# KiCad board Main PCB.kicad_pcb (continued)
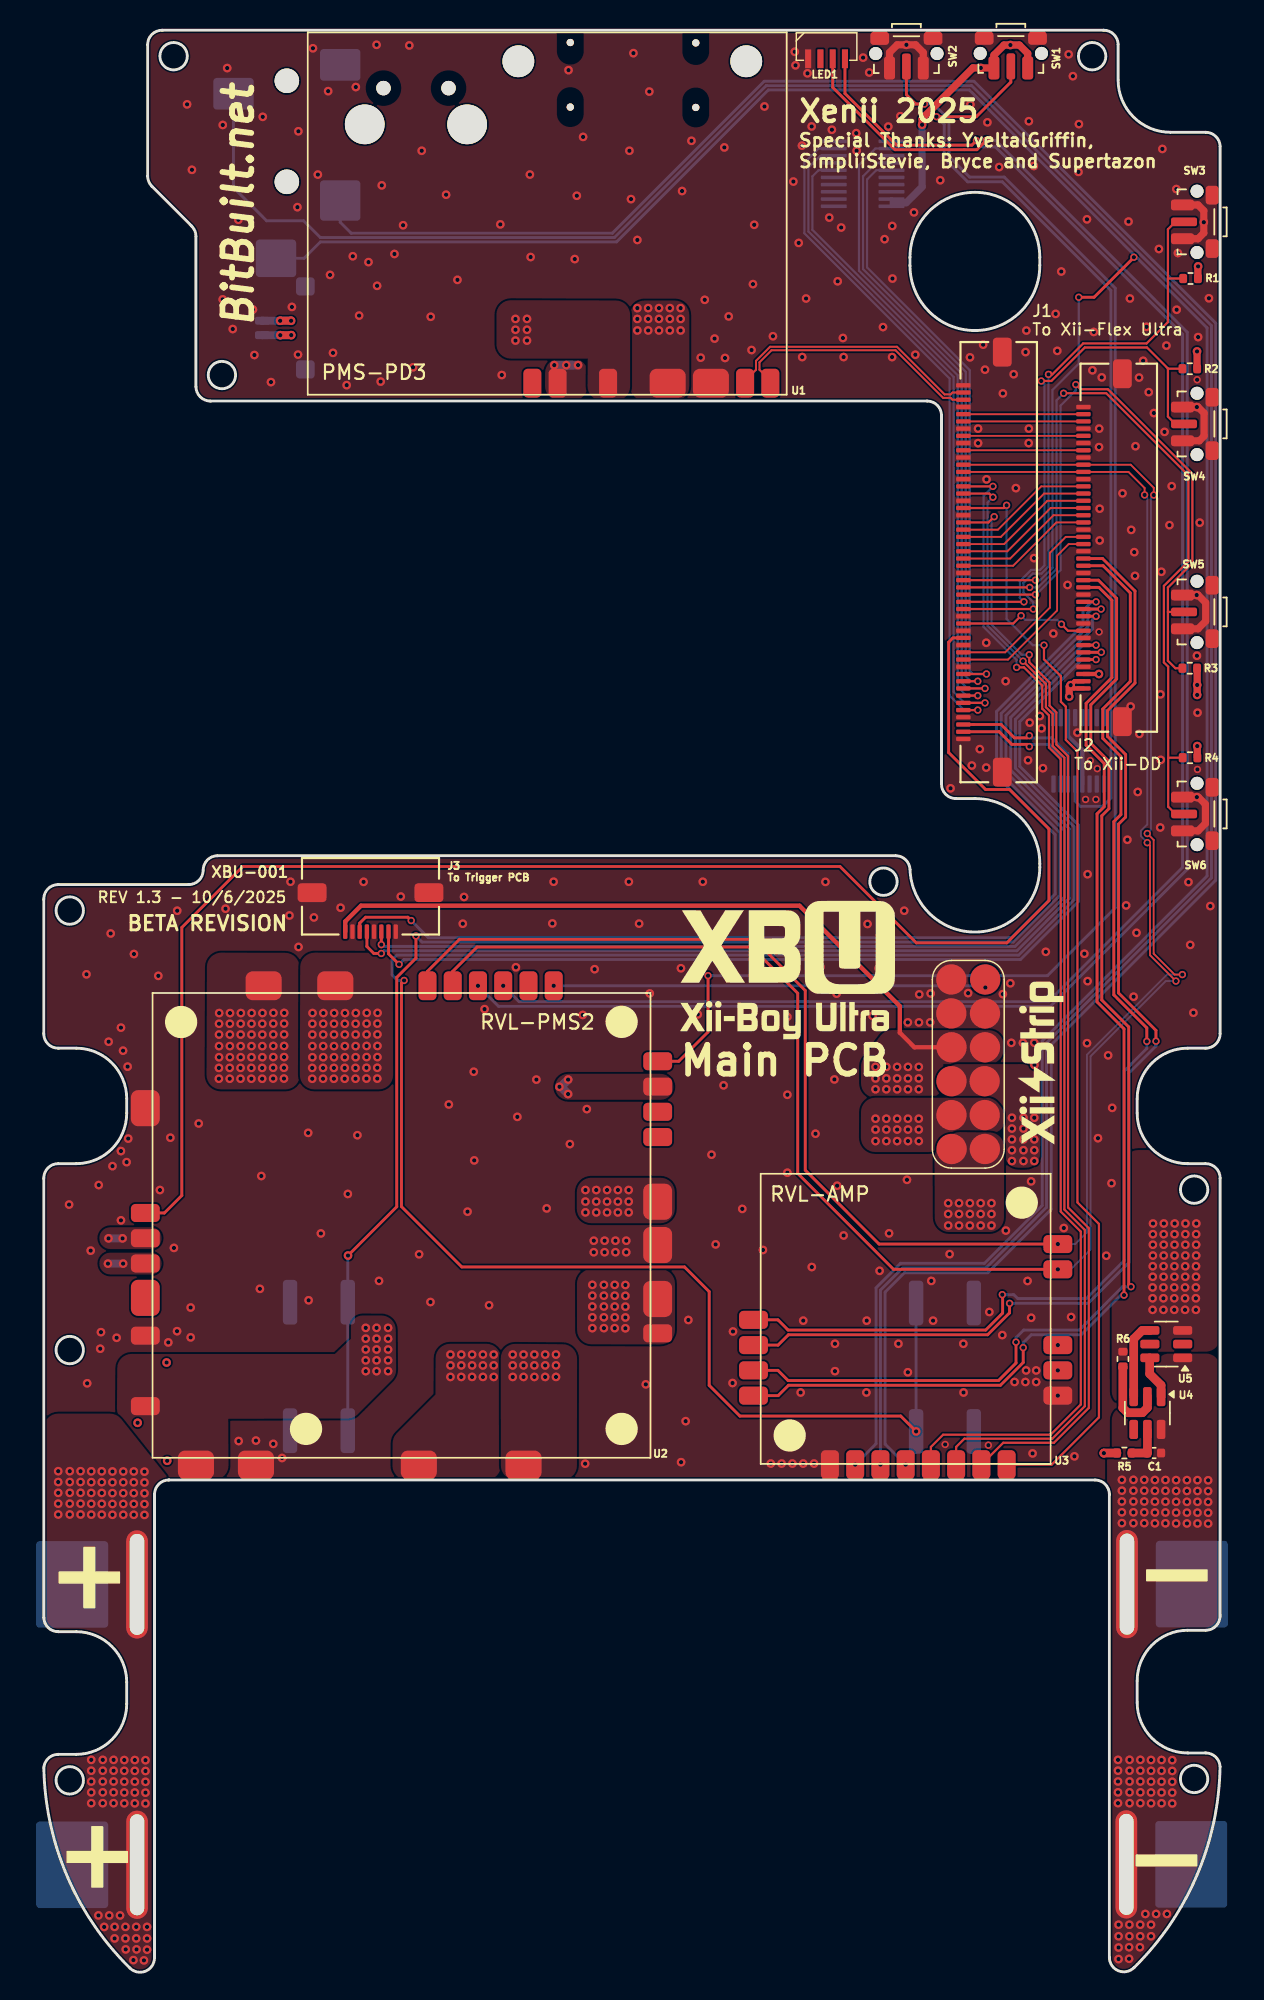
[diagram p0: board, top side]
## Routing (per net, layer and track width the routed paths; a pad name or vN(x,y) marks a point on that pad's centre or on a via; arc(x,y) is an arc through that point) (continued)
V0: length 8.3
  Top w0.127: J2.46 72.07,107.87
V1: length 9.6
  Top w0.127: 72.07,100.37 70.2,100.37 67.2,97.37 J2.25
V2: length 9.6
  Top w0.127: J2.26 67,97.87 70,100.87 72.07,100.87
V3: length 8.3
  Top w0.127: J2.45 72.07,107.37
V4: length 9.6
  Top w0.127: 72.07,101.37 69.8,101.37 66.8,98.37 J2.27
V5: length 9.6
  Top w0.127: J2.28 66.58,98.87 69.58,101.87 72.07,101.87
V6: length 9.6
  Top w0.127: 72.07,102.87 69.15,102.87 66.15,99.87 J2.30
V7: length 8.3
  Top w0.127: 72.07,105.37 J2.41
VBUS:
  vias: v2(37.55,54.12) v2(37.55,53.32) v2(37.55,52.57) v2(38.3,54.12) v2(38.3,53.32) v2(38.3,52.57) v2(39.05,54.12) v2(39.05,53.32) v2(39.05,52.57) v2(39.8,54.12) v2(39.8,53.32) v2(39.8,52.57) v2(40.55,54.12) v2(40.55,53.32) v2(40.55,52.57) v2(41.15,115.22) v2(41.15,114.47) v2(41.15,113.67) v2(41.9,115.22) v2(41.9,114.47) v2(41.9,113.67) v2(42.65,115.22) v2(42.65,114.47) v2(42.65,113.67) v2(43.4,115.22) v2(43.4,114.47) v2(43.4,113.67) v2(44.15,115.22) v2(44.15,114.47) v2(44.15,113.67)
54: length 8.3
  Top w0.127: J2.43 72.07,106.37
A: length 121.3
  Top w0.2: 55.54,132.49 55.54,130.08 59.12,126.51 64.34,126.51 v1(64.66,126.82)
  Bottom w0.2: v1(31.85,68.27) 32.95,67.17 69.64,67.17 78.95,76.47 78.95,113.41 65.97,126.38 65.1,126.38 v1(64.66,126.82)
B+: length 41.3
  Top w0.152: 77.93,117.27 R3.1 ; SW5.2 78.45,121.19 77.93,120.67 77.93,114.25 76.45,112.77 72.05,112.77 69.91,110.62 v1(69.65,110.62) 69.79,110.77 ; v1(68.6,94.37) J2.19
  Bottom w0.152: v1(69.65,110.62) 69.65,110.62 69.65,97.31 69.17,96.82 68.56,96.82 67.92,96.18 67.92,95.51 68.6,94.83 v1(68.6,94.37)
B-: length 36.8
  Top w0.152: 77.93,111.02 78.99,111.02 ; SW6.2 78.44,107.19 77.93,107.7 77.93,111.03 76.48,112.49 72.17,112.49 69.85,110.17 v1(69.15,110.17) ; J2.20 v1(67.95,94.87)
  Bottom w0.152: v1(67.95,94.87) 67.66,95.15 67.66,96.28 68.45,97.08 69.06,97.08 69.37,97.39 69.37,109.94 v1(69.15,110.17)
BAT -:
  vias: v2(74.47,14.64) v2(74.47,13.89) v2(74.47,13.14) v2(74.47,12.39) v2(74.47,11.64) v2(74.51,3.22) v2(74.51,2.42) v2(74.51,1.64) v2(74.51,0.84) v2(74.74,34.04) v2(74.74,33.29) v2(74.74,32.54) v2(74.74,31.79) v2(74.74,31.04) v2(75.27,14.64) v2(75.27,13.89) v2(75.27,13.14) v2(75.27,12.39) v2(75.27,11.64) v2(75.26,3.22) v2(75.26,2.42) v2(75.24,1.66) v2(75.24,0.86) v2(75.54,34.04) v2(75.54,33.29) v2(75.54,32.54) v2(75.54,31.79) v2(75.54,31.04) v2(75.99,1.66) v2(76.02,14.64) v2(76.02,13.89) v2(76.02,13.14) v2(76.02,12.39) v2(76.02,11.64) v2(76.01,3.22) v2(76.01,2.42) v2(76.29,34.04) v2(76.29,33.29) v2(76.29,32.54) v2(76.29,31.79) v2(76.29,31.04) v2(76.36,3.96) v2(76.76,14.63) v2(76.76,13.88) v2(76.76,13.13) v2(76.76,12.38) v2(76.76,11.63) v2(76.76,3.22) v2(76.76,2.42) v2(77.03,34.03) v2(77.03,33.28) v2(77.03,32.53) v2(77.03,31.78) v2(77.03,31.03) v2(77.11,3.96) v2(77.49,14.63) v2(77.49,13.88) v2(77.49,13.13) v2(77.49,12.38) v2(77.49,11.63) v2(77.76,34.03) v2(77.76,33.28) v2(77.76,32.53) v2(77.76,31.78) v2(77.76,31.03) v2(77.86,3.96) v2(78.23,14.62) v2(78.23,13.87) v2(78.23,13.12) v2(78.23,12.37) v2(78.23,11.62) v2(78.5,34.02) v2(78.5,33.27) v2(78.5,32.52) v2(78.5,31.77) v2(78.5,31.02) v2(79.25,34.02) v2(79.25,33.27) v2(79.25,32.52) v2(79.25,31.77) v2(79.25,31.02) v2(79.98,34.02) v2(79.98,33.27) v2(79.98,32.52) v2(79.98,31.77) v2(79.98,31.02) v2(80.72,34.01) v2(80.72,33.26) v2(80.72,32.51) v2(80.72,31.76) v2(80.72,31.01)
BATT +: length 68.5
  Top w0.6: R6.2 73.5,35.9 v2(73.49,35.89)
  In2.Cu w0.5: v2(73.49,35.89) 73.49,35.13 72.85,34.48 7.1,34.48 v2(6.98,34.61)
  vias: v2(1,34.64) v2(1,33.89) v2(1,33.14) v2(1,32.39) v2(1,31.64) v2(1.8,34.64) v2(1.8,33.89) v2(1.8,33.14) v2(1.8,32.39) v2(1.8,31.64) v2(2.55,34.64) v2(2.55,33.89) v2(2.55,33.14) v2(2.55,32.39) v2(2.55,31.64) v2(3.29,34.63) v2(3.29,33.88) v2(3.29,33.13) v2(3.29,32.38) v2(3.29,31.63) v2(3.29,14.64) v2(3.29,13.89) v2(3.29,13.14) v2(3.29,12.39) v2(3.29,11.64) v2(3.79,3.86) v2(4.02,34.63) v2(4.02,33.88) v2(4.02,33.13) v2(4.02,32.38) v2(4.02,31.63) v2(4.09,14.64) v2(4.09,13.89) v2(4.09,13.14) v2(4.09,12.39) v2(4.09,11.64) v2(4.19,3.06) v2(4.54,3.86) v2(4.76,34.62) v2(4.76,33.87) v2(4.76,33.12) v2(4.76,32.37) v2(4.76,31.62) v2(4.84,14.64) v2(4.84,13.89) v2(4.84,13.14) v2(4.84,12.39) v2(4.84,11.64) v2(4.91,3.07) v2(4.91,2.27) v2(5.29,3.86) v2(5.51,34.62) v2(5.51,33.87) v2(5.51,33.12) v2(5.51,32.37) v2(5.51,31.62) v2(5.58,14.63) v2(5.58,13.88) v2(5.58,13.13) v2(5.58,12.38) v2(5.58,11.63) v2(5.66,3.07) v2(5.66,2.27) v2(5.68,1.51) v2(6.24,34.62) v2(6.24,33.87) v2(6.24,33.12) v2(6.24,32.37) v2(6.24,31.62) v2(6.21,0.77) v2(6.31,14.63) v2(6.31,13.88) v2(6.31,13.13) v2(6.31,12.38) v2(6.31,11.63) v2(6.41,3.07) v2(6.41,2.27) v2(6.43,1.51) v2(6.98,33.86) v2(6.98,33.11) v2(6.98,32.36) v2(6.98,31.61) v2(6.94,0.75) v2(7.05,14.62) v2(7.05,13.87) v2(7.05,13.12) v2(7.05,12.37) v2(7.05,11.62) v2(7.16,3.07) v2(7.16,2.27) v2(7.16,1.49) v2(18.63,66.38) v2(18.62,65.64) v2(18.62,64.89) v2(18.62,64.09) v2(18.62,63.32) v2(18.61,62.58) v2(18.61,61.83) v2(19.38,66.38) v2(19.37,65.64) v2(19.37,64.89) v2(19.37,64.09) v2(19.37,63.32) v2(19.36,62.58) v2(19.36,61.83) v2(20.13,66.38) v2(20.12,65.64) v2(20.12,64.89) v2(20.12,64.09) v2(20.12,63.32) v2(20.11,62.58) v2(20.11,61.83) v2(20.88,66.38) v2(20.87,65.64) v2(20.87,64.89) v2(20.87,64.09) v2(20.87,63.32) v2(20.86,62.58) v2(20.86,61.83) v2(21.63,66.38) v2(21.62,65.64) v2(21.62,64.89) v2(21.62,64.09) v2(21.62,63.32) v2(21.61,62.58) v2(21.61,61.83) v2(22.39,66.39) v2(22.38,65.65) v2(22.38,64.9) v2(22.38,64.1) v2(22.38,63.33) v2(22.37,62.59) v2(22.37,61.84) v2(23.14,66.39) v2(23.13,65.65) v2(23.13,64.9) v2(23.13,64.1) v2(23.13,63.33) v2(23.12,62.59) v2(23.12,61.84)
BATT -:
  vias: v2(12.16,66.38) v2(12.15,65.64) v2(12.15,64.89) v2(12.15,64.09) v2(12.15,63.32) v2(12.14,62.58) v2(12.14,61.83) v2(12.9,65.64) v2(12.9,64.89) v2(12.9,64.09) v2(12.9,63.32) v2(12.89,62.58) v2(12.89,61.83) v2(12.91,66.38) v2(13.66,66.38) v2(13.65,65.64) v2(13.65,64.89) v2(13.65,64.09) v2(13.65,63.32) v2(13.64,62.58) v2(13.64,61.83) v2(14.4,65.64) v2(14.4,64.89) v2(14.4,64.09) v2(14.4,63.32) v2(14.39,62.58) v2(14.39,61.83) v2(14.41,66.38) v2(15.16,66.38) v2(15.15,65.64) v2(15.15,64.89) v2(15.15,64.09) v2(15.15,63.32) v2(15.14,62.58) v2(15.14,61.83) v2(15.9,62.59) v2(15.9,61.84) v2(15.92,66.39) v2(15.91,65.65) v2(15.91,64.9) v2(15.91,64.1) v2(15.91,63.33) v2(16.67,66.39) v2(16.66,65.65) v2(16.66,64.9) v2(16.66,64.1) v2(16.66,63.33) v2(16.65,62.59) v2(16.65,61.84) v2(76.89,51.06) v2(76.89,50.33) v2(76.89,49.58) v2(76.88,48.84) v2(76.88,48.11) v2(76.87,47.37) v2(76.87,46.62) v2(76.87,45.82) v2(76.9,51.8) v2(77.65,51.8) v2(77.64,51.06) v2(77.64,50.33) v2(77.64,49.58) v2(77.63,48.84) v2(77.63,48.11) v2(77.62,47.37) v2(77.62,46.62) v2(77.62,45.82) v2(78.39,51.06) v2(78.39,50.33) v2(78.39,49.58) v2(78.38,48.84) v2(78.38,48.11) v2(78.37,47.37) v2(78.37,46.62) v2(78.37,45.82) v2(78.4,51.8) v2(79.15,51.8) v2(79.14,51.06) v2(79.14,50.33) v2(79.14,49.58) v2(79.13,48.84) v2(79.13,48.11) v2(79.12,47.37) v2(79.12,46.62) v2(79.12,45.82) v2(79.89,51.06) v2(79.89,50.33) v2(79.89,49.58) v2(79.88,48.84) v2(79.88,48.11) v2(79.87,47.37) v2(79.87,46.62) v2(79.87,45.82) v2(79.9,51.8)
BT+: length 10.3
  Top w0.2: v1(68.33,85.59) 68.17,85.44 67.29,85.44 66.37,86.37 64.45,86.37 J2.3
  Bottom w0.2: J3.11 71,84.33 69.89,85.44 68.48,85.44 v1(68.33,85.59)
BT-: length 9.5
  Top w0.2: v1(68.33,84.84) 68.17,84.99 67.11,84.99 66.23,85.87 J2.2
  Bottom w0.2: v1(68.33,84.84) 68.48,84.99 69.71,84.99 70.5,84.2 J3.10
C: length 76.3
  Top w0.152: v1(68.32,91.2) 68.32,90.69 69.73,89.28 69.73,87.68 70.2,87.2 70.2,84.98 71.01,84.17 71.01,52.91 72.45,51.47 72.45,39.03 70.03,36.61 66.52,36.61 U2.9 ; v1(65.89,100.77) 65.49,100.37 J2.31
  Bottom w0.152: v1(68.32,91.2) 67.81,91.2 65.71,93.29 65.71,100.59 v1(65.89,100.77)
CK: length 13.9
  Top w0.127: 72.07,98.87 71.05,98.87 70.25,98.07 70.25,94.27 66.85,90.87 J2.12
CS: length 9.6
  Top w0.127: J2.29 66.35,99.37 69.35,102.37 72.07,102.37
D: length 79.4
  Top w0.152: J2.35 65.55,102.37 v1(65.8,102.12) ; U2.10 63.25,36.32 63.82,36.89 69.92,36.89 72.17,39.14 72.17,51.35 70.75,52.77 70.75,84.06 69.94,84.88 69.94,87.1 69.47,87.57 69.47,89.17 v1(67.89,90.76)
  Bottom w0.152: v1(67.89,90.76) 65.43,93.21 65.43,101.74 v1(65.8,102.12)
D+: length 18.3
  Top w0.14: 48.62,109.82 48.62,110.19 49.37,110.94 49.37,111.56 50.35,112.54 59.15,112.54 62.45,109.24 62.87,109.24 63,109.37 J2.49
D-: length 17.9
  Top w0.14: J2.48 63,108.87 62.87,108.99 62.35,108.99 59.05,112.29 50.45,112.29 49.62,111.46 49.62,110.94 50.37,110.19 50.37,109.82
DI: length 13.9
  Top w0.127: J2.13 66.65,91.37 69.75,94.47 69.75,98.27 70.85,99.37 72.07,99.37
F+: length 187
  Top w0.55: v2(17.15,114.34) 17.14,114.34 16.39,114.34 v2(16.39,114.34)
  In1.Cu w0.55: v2(5.5,49.02) 5.49,49.01 4.45,49.01 v2(4.45,49.02) ; v2(17.15,114.34) 17.14,114.34 16.39,114.34 v2(16.39,114.34)
  In2.Cu w0.55: v2(16.39,114.34) 16.39,114.35 17.14,114.35 v2(17.15,114.34) 21.19,114.34 25.62,109.9 62.12,109.9 63.38,108.64 63.38,83.35 64.36,82.37 66.89,82.37 70.18,79.07 70.18,74.15 66.88,70.85 59.76,70.85 54.46,76.15 14.18,76.15 7.24,69.21 7.24,50.2 6.06,49.02 v2(5.5,49.02) v2(4.45,49.02)
  Bottom w0.55: v2(16.39,114.34) 17.13,114.34 17.14,114.34 ; v2(16.39,114.34) 15.15,114.34 J21.1 ; v2(16.39,114.34) v2(17.15,114.34) ; v2(4.45,49.02) v2(5.5,49.02) ; 16.38,114.34 17.14,114.34
F-: length 181.9
  Top w0.55: v2(17.16,113.34) 17.15,113.34 v2(16.4,113.34)
  In1.Cu w0.55: v2(16.4,113.34) 17.15,113.34 v2(17.16,113.34) ; 5.46,50.77 4.49,50.77
  In2.Cu w0.55: 5.47,50.76 5.47,50.77 4.5,50.77 4.5,50.76 ; v2(16.4,113.34) 16.4,113.34 17.15,113.34 v2(17.16,113.34) 21.26,113.34 25.35,109.25 61.85,109.25 62.71,108.39 62.71,83.09 64.09,81.72 66.62,81.72 69.53,78.8 69.53,74.42 66.61,71.5 60.03,71.5 54.73,76.8 13.91,76.8 6.59,69.48 6.59,51.47 5.89,50.77 v2(5.46,50.77)
  Bottom w0.55: v2(5.46,50.77) v2(4.49,50.77) ; v2(16.4,113.34) 16.4,113.34 17.15,113.34 v2(17.16,113.34) ; v2(16.4,113.34) 16.39,113.34 ; v2(16.4,113.34) 15.15,113.34 J21.2
GCC: length 9
  Top w0.152: v1(70.55,93.32) 71,92.87 72.07,92.87 ; v1(67.75,93.91) 67.21,93.37 J2.17
  Bottom w0.152: v1(70.55,93.32) 70.25,93.62 68.04,93.62 v1(67.75,93.91)
HL: length 166.4
  Bottom w0.2: J25.2 20.55,121.17 21.31,120.41 39.42,120.41 49.94,130.93 64.49,130.93 81.25,114.17 81.25,75.58 69.85,64.18 69.85,52.78 65.45,48.39 59.67,48.39 58.33,47.04 58.33,36.51 v1(59.75,35.09)
HR: length 178.8
  Bottom w0.2: J25.3 13.15,123.57 15.45,121.27 18.01,121.27 19.17,120.1 39.56,120.1 50.08,130.63 64.33,130.63 80.95,114.01 80.95,75.74 69.52,64.32 69.52,52.92 65.31,48.71 59.53,48.71 58,47.18 v1(58,35.09) 57.99,35.1
HS: length 199.6
  Top w0.152: v1(68.75,96.37) J2.23
  Top w0.2: v1(75.57,118.74) 75.57,118.72 72.81,115.97 v1(71.75,115.97)
  Bottom w0.152: v1(71.75,115.97) 71.75,111.37 69.93,109.54 69.93,97.22 69.07,96.37 v1(68.75,96.37)
  Bottom w0.2: J25.4 18.04,118.67 19.18,119.8 39.71,119.8 50.23,130.33 64.16,130.33 75.56,118.93 75.56,118.75 v1(75.57,118.74) 75.6,118.71 75.78,118.71 80.64,113.85 80.64,75.87 69.22,64.44 69.22,53.04 65.21,49.04 59.4,49.04 57.7,47.34 57.7,36.54 v1(56.25,35.09)
L: length 76.6
  Top w0.2: v1(25.47,72.79) 25.24,73.02 22.31,73.02 21.9,72.6 J23.6 ; 72.07,94.87 v1(72.95,94.87)
  Bottom w0.2: v1(25.47,72.79) 26.66,71.6 67.09,71.6 70.11,74.63 70.11,78.74 66.05,82.8 66.05,87.27 72.05,93.27 72.05,94.27 72.65,94.87 v1(72.95,94.87)
L+: length 82.4
  Top w0.2: U2.18 50.89,45.12 51.6,44.42 65.3,44.42 66.47,45.59 66.47,46.84 v1(66.45,46.87) ; 72.07,97.37 73.44,97.37 75.32,95.48 75.32,89.35 73.41,87.44 73.41,85.41 74.67,84.15 74.67,80.13 74.18,79.64 74.18,67.63 76.47,65.35 v1(76.47,64.41)
  Bottom w0.2: v1(76.47,64.41) 76.47,63.92 74.9,62.35 74.9,49.22 72.26,46.59 67.52,46.59 67.25,46.87 v1(66.45,46.87)
L-: length 83.2
  Top w0.2: 72.07,97.87 73.4,97.87 75.65,95.62 75.65,89.24 73.74,87.33 73.74,85.54 75,84.28 75,79.96 74.51,79.46 74.51,67.77 77.1,65.17 v1(77.1,64.43) ; U2.17 50.91,43.37 51.62,44.09 65.44,44.09 66.95,45.61 v1(66.95,46.27)
  Bottom w0.2: v1(77.1,64.43) 77.1,64.09 75.22,62.21 75.22,49.09 72.4,46.27 v1(66.95,46.27)
LED+: length 125
  Top w0.2: v1(65.34,126.84) 64.69,126.19 59.01,126.19 54.69,130.51 LED1.2
  Bottom w0.2: v1(30.1,68.27) 31.53,66.84 69.78,66.84 79.27,76.33 79.27,113.54 65.98,126.84 v1(65.34,126.84)
LT: length 108.4
  Top w0.2: v1(73.3,94.37) 72.07,94.37 ; v1(25.8,71.72) 25.8,70.18 24.47,68.85 24.47,52.96 21.13,49.62
  Bottom w0.2: SW8.4 21.07,49.56 v2(21.09,49.58) 21.13,49.62 ; v1(73.3,94.37) 72.65,94.37 72.38,94.09 72.38,93.13 66.38,87.13 66.38,82.94 70.44,78.87 70.44,74.53 67.21,71.3 26.22,71.3 v1(25.8,71.72)
LZ: length 74.3
  Top w0.2: J23.3 v1(23.4,71.12) ; v1(72.95,93.87) 72.07,93.87
  Bottom w0.2: v1(72.95,93.87) 72.7,93.62 72.7,92.99 66.7,86.99 66.7,83.07 70.77,79.01 70.77,74.43 67.34,70.99 23.52,70.99 v1(23.4,71.12)
MCLK: length 77.1
  Top w0.152: U2.8 69.88,35.09 73.15,38.37 73.15,51.77 71.66,53.26 71.66,84.5 70.86,85.3 70.86,87.6 70.51,87.95 70.51,89.71 69.34,90.88 v1(69.34,91.86) ; J2.33 66.56,101.37 v1(66.75,101.55)
  Bottom w0.152: v1(66.75,101.55) 66.75,101.55 66.75,93.68 68.56,91.86 v1(69.34,91.86)
Power: length 104.8
  Top w0.2: 59.8,131.95 59.8,130 60.45,129.35 v1(61.06,129.35) ; v1(46.05,68.97) 46.05,65.07 44.02,63.04 U3.8
  Bottom w0.2: v1(46.05,68.97) 69.58,68.97 74.28,73.66 74.28,116.6 66.59,124.29 64.19,124.29 62.75,125.73 62.75,128.29 61.68,129.35 v1(61.06,129.35)
R: length 74.6
  Top w0.2: v1(72.95,91.87) 72.07,91.87 ; v1(23.4,70.51) 23.39,70.51 22.88,70.51 22.4,70.99 J23.5
  Bottom w0.2: v1(23.4,70.51) 23.58,70.69 67.46,70.69 71.1,74.32 71.1,79.14 67.03,83.21 67.03,86.86 72.04,91.87 v1(72.95,91.87)
R+: length 82.1
  Top w0.2: U2.15 50.91,39.87 51.63,40.59 66.32,40.59 67.9,42.17 v1(67.9,43.2) ; 72.07,95.87 73.15,95.87 74.05,94.97 74.05,89.62 72.26,87.83 72.26,84.93 73.51,83.67 73.51,80.67 73.02,80.18 73.02,67.15 74.89,65.28 v1(74.89,46.83)
  Bottom w0.2: v1(67.9,43.2) 67.9,43.53 68.46,44.09 71.93,44.09 74.67,46.83 v1(74.89,46.83)
R-: length 83
  Top w0.2: U2.16 50.89,41.62 51.6,40.92 66.19,40.92 67.4,42.13 v1(67.4,43.58) ; v1(75.37,47.42) 75.21,47.57 75.21,65.41 73.35,67.28 73.35,80.04 73.84,80.54 73.84,83.81 72.59,85.06 72.59,87.73 74.38,89.52 74.38,95.1 73.11,96.37 72.07,96.37
  Bottom w0.2: v1(75.37,47.42) 74.79,47.42 71.79,44.42 67.93,44.42 67.4,43.88 v1(67.4,43.58)
RT: length 144.9
  Top w0.2: v1(73.31,91.37) 73.3,91.37 72.07,91.37 ; v2(60.47,37.39) 59.41,38.46 48.26,38.46 46.13,40.59 46.13,47.08 44.42,48.79 28.98,48.79 24.8,52.97 24.8,68.45 v1(24.98,68.64)
  Bottom w0.2: SW7.4 v2(60.47,37.39) ; v1(24.98,68.64) 24.53,68.64 24.15,69.02 24.15,70.07 24.47,70.39 67.59,70.39 71.42,74.22 71.42,79.28 67.36,83.35 67.36,86.72 72.01,91.37 v1(73.31,91.37)
RZ: length 73.6
  Top w0.2: 72.07,90.87 v1(72.95,90.87) ; v1(24.63,69.75) 23.9,70.48 J23.2
  Bottom w0.2: v1(24.63,69.75) 24.97,70.09 67.71,70.09 71.73,74.1 71.73,79.41 67.66,83.47 67.66,86.56 71.96,90.87 v1(72.95,90.87)
SCL: length 133
  Top w0.127: v1(78.48,68.59) 76.69,70.39 76.69,77.99 v1(76.5,78.18) ; J2.38 75.2,103.87 76.32,102.75 v1(76.32,102.27)
  Top w0.2: v1(70.3,48.62) 58.91,48.62 52.27,55.26 52.27,67.75 49.07,70.95 30.03,70.95 28.35,69.27 U3.13
  Bottom w0.127: v1(76.32,102.27) 76.5,102.09 76.5,79.44 76.06,79 76.06,78.63 v1(76.5,78.18) ; v1(78.48,68.59) 77.78,68.59 72.57,63.38 72.57,50 71.19,48.62 v1(70.3,48.62)
SDA: length 134.3
  Top w0.127: v1(76.5,78.82) 76.94,78.37 76.94,70.49 78.39,69.04 v1(78.93,69.04) ; J2.39 72.07,104.37 75.35,104.37 76.95,102.77 76.95,102.32
  Top w0.2: v1(70.3,50.37) 57.91,50.37 52.79,55.49 52.79,67.93 49.24,71.48 28.82,71.48 26.6,69.27 U3.14
  Bottom w0.127: v1(76.95,102.27) 76.75,102.07 76.75,79.07 v1(76.5,78.82) ; v1(78.93,69.04) 77.87,69.04 72.32,63.49 72.32,51.18 71.51,50.37 v1(70.3,50.37)
SDIO1: length 46.9
  Top w0.152: J2.5 v1(64.75,87.37)
  Bottom w0.152: J4.2 53.72,126.27 52.73,125.28 52.73,120.41 62.8,110.33 62.8,88.37 63.8,87.37 v1(64.75,87.37)
SDIO2: length 46.6
  Top w0.152: v1(65.25,87.87) J2.6
  Bottom w0.152: J4.3 53.84,125.77 53.01,124.94 53.01,120.52 63.08,110.45 63.08,88.62 63.84,87.87 v1(65.25,87.87)
SDIO3: length 43.8
  Top w0.152: v1(64.75,88.37) J2.7
  Bottom w0.152: J4.5 53.72,124.77 53.28,124.34 53.28,120.64 63.36,110.57 63.36,88.97 63.96,88.37 v1(64.75,88.37)
SDIO4: length 44.8
  Top w0.152: J2.8 v1(65.25,88.87)
  Bottom w0.152: J4.19 57.65,126.27 56.52,125.13 56.52,117.8 63.64,110.68 63.64,89.26 64.03,88.87 v1(65.25,88.87)
SDIO5: length 41.9
  Top w0.152: J2.9 v1(64.75,89.37)
  Bottom w0.152: J4.17 57.72,125.27 56.79,124.35 56.79,117.92 63.92,110.8 63.92,89.71 64.26,89.37 v1(64.75,89.37)
SDIO6: length 41.8
  Top w0.152: J2.10 v1(65.35,89.87)
  Bottom w0.152: J4.16 57.72,124.77 57.07,124.13 57.07,118.03 64.19,110.91 64.19,90.08 64.41,89.87 v1(65.35,89.87)
SYNC: length 64.9
  Top w0.2: SW2.2 67.04,130.87 64.64,128.48 v1(61.89,128.48)
  Bottom w0.2: v1(61.89,128.48) 62.42,127.94 62.42,125.59 64.05,123.97 66.45,123.97 73.98,116.44 73.98,81.28 73.39,80.69 71.86,80.69 71.5,81.06 J3.12
T-: length 30
  Bottom w0.2: v1(35.35,68.27) 65.15,68.27 v1(65.27,68.14)
U10: length 109.8
  Top w0.2: U3.17 8.36,52.53 9.57,53.74 9.57,72.31 13.79,76.53 55.2,76.53 60.49,71.24 66.76,71.24 69.69,74.16 69.69,79.13 66.95,81.86 65.29,81.86 62.73,84.42 62.73,92.07 63.03,92.37 J2.15
UP: length 6.8
  In1.Cu w0.6: 35.85,61.27 v2(36.35,61.77) ; 35.85,61.27 v2(36.35,60.77) ; 35.85,61.27 v2(35.75,61.27) ; v2(35.39,111.27) v2(37.04,111.27)
  Bottom w0.6: 35.85,61.27 v2(36.35,61.77) ; 35.85,61.27 v2(35.75,61.27) ; 35.85,61.27 v2(36.35,60.77) ; v2(36.22,111.27) v2(37.04,111.27) ; v2(35.39,111.27) 36.68,111.27
V+: length 47.5
  Top w0.152: v1(68.75,95.37) J2.21 ; 77.93,94.17 77.93,95.86 79.63,97.55 79.63,103.74 73.77,109.59 71.87,109.59 v1(71.55,109.92) ; 77.93,94.17 SW3.2 ; 77.93,94.17 77.93,90.78 78.45,90.27 79.03,90.27
  Bottom w0.152: v1(68.75,95.37) 68.79,95.37 70.49,97.06 70.49,108.46 71.54,109.5 71.54,109.5 71.55,109.52 v1(71.55,109.92)
V-: length 56.3
  Top w0.152: 68.1,95.87 J2.22 ; 77.95,84.07 79.03,84.07 ; 79.07,80.17 78.45,80.17 77.95,80.67 77.95,90.37 77.65,90.67 77.65,95.97 79.35,97.67 79.35,103.62 73.65,109.32 v1(70.7,109.32)
  Bottom w0.152: v1(70.7,109.32) 70.21,108.82 70.21,97.14 68.93,95.87 v1(68.35,95.87)
WS: length 81.9
  Top w0.152: v1(65.8,102.87) J2.36 ; v1(67.44,90.32) 67.95,90.32 69.22,89.06 69.22,87.46 69.69,86.99 69.69,84.77 70.5,83.96 70.5,52.62 71.89,51.23 71.89,39.26 69.8,37.17 62.35,37.17 61.5,36.32 U2.11
  Bottom w0.152: v1(65.8,102.87) 65.15,102.22 65.15,93.13 67.44,90.84 v1(67.44,90.32)
Net-(U4-OC): length 5.4
  Top w0.6: 75.56,39.81 75.56,43.8 76.15,44.39 U5.4 76.68,44.39 76.67,44.39
Net-(U4-OD): length 3
  Top w0.6: 76.67,42.49 76.67,41.38 77.46,40.59 U4.1
Net-(U4-VCC): length 2.7
  Top w0.6: 76.51,37.47 76.51,35.91 C1.1 R6.1
Net-(U4-VM): length 5.6
  Top w0.6: 74.82,41.83 74.8,41.81 74.8,39.02 75.14,38.69 76.16,38.69 76.51,39.03 U4.2

## Copper pours and planes (outline as drawn; the poured copper is in the pictures)
+1V0 on Top: 31.68,43.47 31.69,33.8 36.96,33.81 36.97,43.43
+1V0 on Top: 65.86,60.51 56.66,60.52 56.64,56.75 61.75,56.75 63.08,58.14 66.58,58.09 66.57,59.63
+1V0 on Bottom, In1.Cu: 57.22,57.07 57.22,59.51 61.09,59.5 61.09,57.07
+1V0 on Bottom, In1.Cu: 32.08,40.72 32.08,43.16 35.95,43.15 35.95,40.72
+1V0 on In2.Cu: 61.28,59.48 61.27,56.94 54.9,56.96 53.91,56.04 54,44.35 49.69,40.68 32.11,40.7 31.66,41.25 31.66,43.43 36.97,43.43 43.66,43.42 48.41,43.44 50.35,45 50.34,56.89 53.04,59.46
+1V8 on Top: 24.43,41.24 24.4,45.42 21.29,45.43 21.29,43.81 20.17,42.75 7.98,42.76 5.1,42.77 5.07,38.63 8.9,33.82 12.81,33.8 12.79,38.27 21.48,38.29
+1V8 on Top: 66.58,58.09 66.56,51.2 61.77,51.21 61.75,56.75 63.08,58.14
+1V8 on Bottom, In1.Cu: 62.26,51.22 62.26,53.66 66.13,53.65 66.13,51.22
+1V8 on Bottom, In1.Cu: 21.88,45 24.32,45 24.31,41.13 21.88,41.13
+1V8 on In2.Cu: 21.11,45.39 21.12,33.97 62.73,33.92 70.78,41.17 70.79,46.41 69.52,47.7 69.51,54.08 58.51,54.13 57.24,53.04 57.21,42.82 51.5,38.09 28.19,38.09 27.61,38.73 27.6,45.36
+1V15 on Top: 24.16,33.82 24.19,36.98 27.15,39.95 27.17,43.46 31.68,43.47 31.69,33.8
+1V15 on Top: 62.36,62.84 68.17,62.84 69.1,62 69.06,55.65 66.59,55.66 66.57,59.63 65.86,60.51 62.38,60.52
+1V15 on Bottom, In1.Cu: 27.74,40.71 27.74,43.15 31.61,43.14 31.61,40.71
+1V15 on Bottom, In1.Cu: 69.08,55.7 66.64,55.7 66.65,59.57 69.08,59.57
+1V15 on In2.Cu: 61.28,59.48 61.27,56.94 54.9,56.96 53.91,56.04 54,44.35 49.69,40.68 32.11,40.7 31.66,41.25 31.66,43.43 27.61,43.43 27.61,38.73 28.19,38.09 33.72,38.09 51.5,38.09 57.21,42.82 57.24,53.04 58.51,54.13 69.51,54.08 69.51,59.49
+3V3 on Top: 43.76,48.63 36.96,48.63 36.97,43.43 43.76,43.42
+3V3 on Top: 31.38,115.77 31.38,111.72 37.71,111.72 37.69,108.82 40.65,108.79 40.65,115.74
+3V3 on Top: 66.53,65.19 58.3,65.2 56.65,63.01 56.66,60.52 62.38,60.52 62.36,62.84 66.53,62.85
+3V3 on Bottom: 70.35,86.23 71.23,86.24 71.22,87.83 71.95,88.74 71.95,89.68 70.34,89.68
+3V3 on Bottom, In1.Cu: 33.81,114.77 33.81,112.64 32.39,112.64 32.39,114.77
+3V3 on Bottom, In1.Cu: 57.23,60.66 57.23,63.1 61.1,63.09 61.1,60.66
+3V3 on Bottom, In1.Cu: 37.58,47.97 40.74,47.97 40.75,44.11 37.59,44.11
+3V3 on In2.Cu: 36.96,48.64 43.22,48.65 44.19,49.71 44.17,59.84 47.73,63.38 70.72,63.38 78.42,70.84 78.37,86.07 75.79,88.62 75.92,121.92 68.02,129.52 39.37,129.27 34.7,124.74 34.67,108.37 31.38,108.37 31.5,135.41 75.12,135.68 83.23,127.72 83.48,64.04 78.82,59.54 53.04,59.46 50.34,56.89 50.35,45 48.41,43.44 31.66,43.43
GND on Top, Bottom, In2.Cu: -3.99,-0.57 86.6,-0.6 86.5,137.63 -4.03,137.44
GND on In1.Cu: 8.9,33.82 5.07,38.63 -3.97,38.63 -4.03,137.44 86.5,137.63 86.6,34.61 73.05,34.61 73.03,-0.6 8.83,-0.56
GND on In1.Cu: 8.9,33.82 5.07,38.63 -3.97,38.63 -4.03,137.44 86.5,137.63 86.6,34.61 73.05,34.61 73.03,-0.6 8.83,-0.56
VBUS on Top: 44.75,108.79 44.75,115.74 40.65,115.74 40.65,108.79
VBUS on Top: 43.75,51.82 36.95,51.82 36.95,54.97 43.75,54.97
VBUS on Bottom, In1.Cu: 37.11,52.13 37.11,54.57 40.98,54.56 40.98,52.13
VBUS on Bottom, In1.Cu: 40.74,113.23 40.74,115.67 44.61,115.66 44.61,113.23
VBUS on In2.Cu: 34.7,124.74 34.75,111.72 64,111.82 65.51,110.38 65.48,85.9 71.7,80.14 71.66,73.48 67.67,69.34 41.69,69.29 36.95,65.87 36.95,51.82 44.19,51.79 44.17,59.84 47.73,63.38 70.72,63.38 78.42,70.84 78.37,86.07 75.79,88.62 75.92,121.92 68.02,129.52 39.37,129.27
BAT - on Top: 73.62,-0.6 73.72,22.2 73.71,35.55 74.04,35.54 74.04,39.18 77.02,39.14 77.02,42.78 86.65,42.81 86.61,-0.58
BAT - on Bottom: 73.03,-0.6 73.05,34.61 86.6,34.61 86.6,-0.6
BAT - on In1.Cu: 73.03,-0.6 73.05,34.61 86.6,34.61 86.6,-0.6
BAT - on In2.Cu: 73.03,-0.6 73.05,34.59 86.6,34.61 86.6,-0.6
BATT + on Top: 5.07,38.63 -3.97,38.63 -4.03,-0.55 8.83,-0.56 8.9,33.82
BATT + on Top: 17.78,70.57 24.2,70.55 24.22,61.09 17.75,61.09
BATT + on Bottom: 5.07,38.63 -3.97,38.63 -4.03,-0.55 8.83,-0.56 8.9,33.82
BATT + on Bottom, In1.Cu: 24.19,61.09 17.72,61.09 17.74,67.07 24.18,67.08
BATT + on In1.Cu: 5.07,38.63 -3.97,38.63 -4.03,-0.55 8.83,-0.56 8.9,33.82
BATT + on In2.Cu: 21.12,33.97 8.86,33.94 8.85,-0.54 -3.99,-0.57 -4.03,45.28 2.5,45.22 6.75,45.22 9.39,47.84 9.46,68.34 15.5,74.11 27.68,74.17 27.6,45.36 21.11,45.39
BATT - on Top: 74.04,39.18 77.02,39.14 77.02,42.91 86.65,42.93 86.55,56.89 74.87,56.88 74.89,46.46 74.03,46.46
BATT - on Top: 11.31,70.57 17.73,70.55 17.75,61.09 11.28,61.09
BATT - on Bottom, In1.Cu, In2.Cu: 17.75,61.09 11.28,61.09 11.3,67.07 17.74,67.07
BATT - on Bottom, In2.Cu: 80.32,52.26 80.32,45.33 76.44,45.33 76.44,52.26
BATT - on In1.Cu: 11.14,35.94 11.3,67.07 17.74,67.07 17.89,43.21 19.38,41.25 70.79,41.33 75.17,46.51 75.19,56.91 86.58,56.92 86.6,34.61 73.05,34.61 73.05,33.89 12.73,33.9
F+ on Top: 3.85,49.78 3.85,48.27 8.17,48.27 8.17,49.78
F- on Top: 3.85,51.54 3.85,50.03 8.17,50.03 8.17,51.54
UP on Top: 35.45,60.37 43.65,60.37 43.65,62.17 35.45,62.17
UP on Top: 34.76,111.73 37.71,111.72 37.69,108.82 34.74,108.82
UP on In2.Cu: 34.75,111.72 64,111.82 65.51,110.38 65.48,85.9 71.7,80.14 71.66,73.48 67.67,69.34 41.69,69.29 36.95,65.87 36.95,60.37 35.45,60.37 35.45,66.7 40.95,70.77 59.76,70.76 66.95,70.7 70.31,74.1 70.31,79.16 66.94,82.45 64.26,82.45 63.45,83.32 63.36,108.79 62.11,110 34.75,109.98

## Text on the board
B.Silkscreen: J7 | J6 / FAN | SW7 | SW8 | J5 | J4 | - | + | WiFi / Module | Bluetooth / Module
F.Silkscreen: J3 / To Trigger PCB | U2 | U1 | LED1 | U3 | R6 | R5 | C1 | U5 | U4 | SW5 | SW4 | SW3 | SW6 | R3 | R2 | R4 | R1 | SW2 | SW1 | REV 1.3 - 10/6/2025 | XBU-001 | J1 / To Xii-Flex Ultra | J2 / To Xii-DD | Special Thanks: YveltalGriffin, / SimpliiStevie, Bryce and Supertazon | PMS-PD3 | RVL-PMS2 | RVL-AMP | BETA REVISION | Xenii 2025 | Main PCB | BitBuilt.net
